# Altium PCB Audio_Research.PcbDoc (part 2 of 4) (continued)
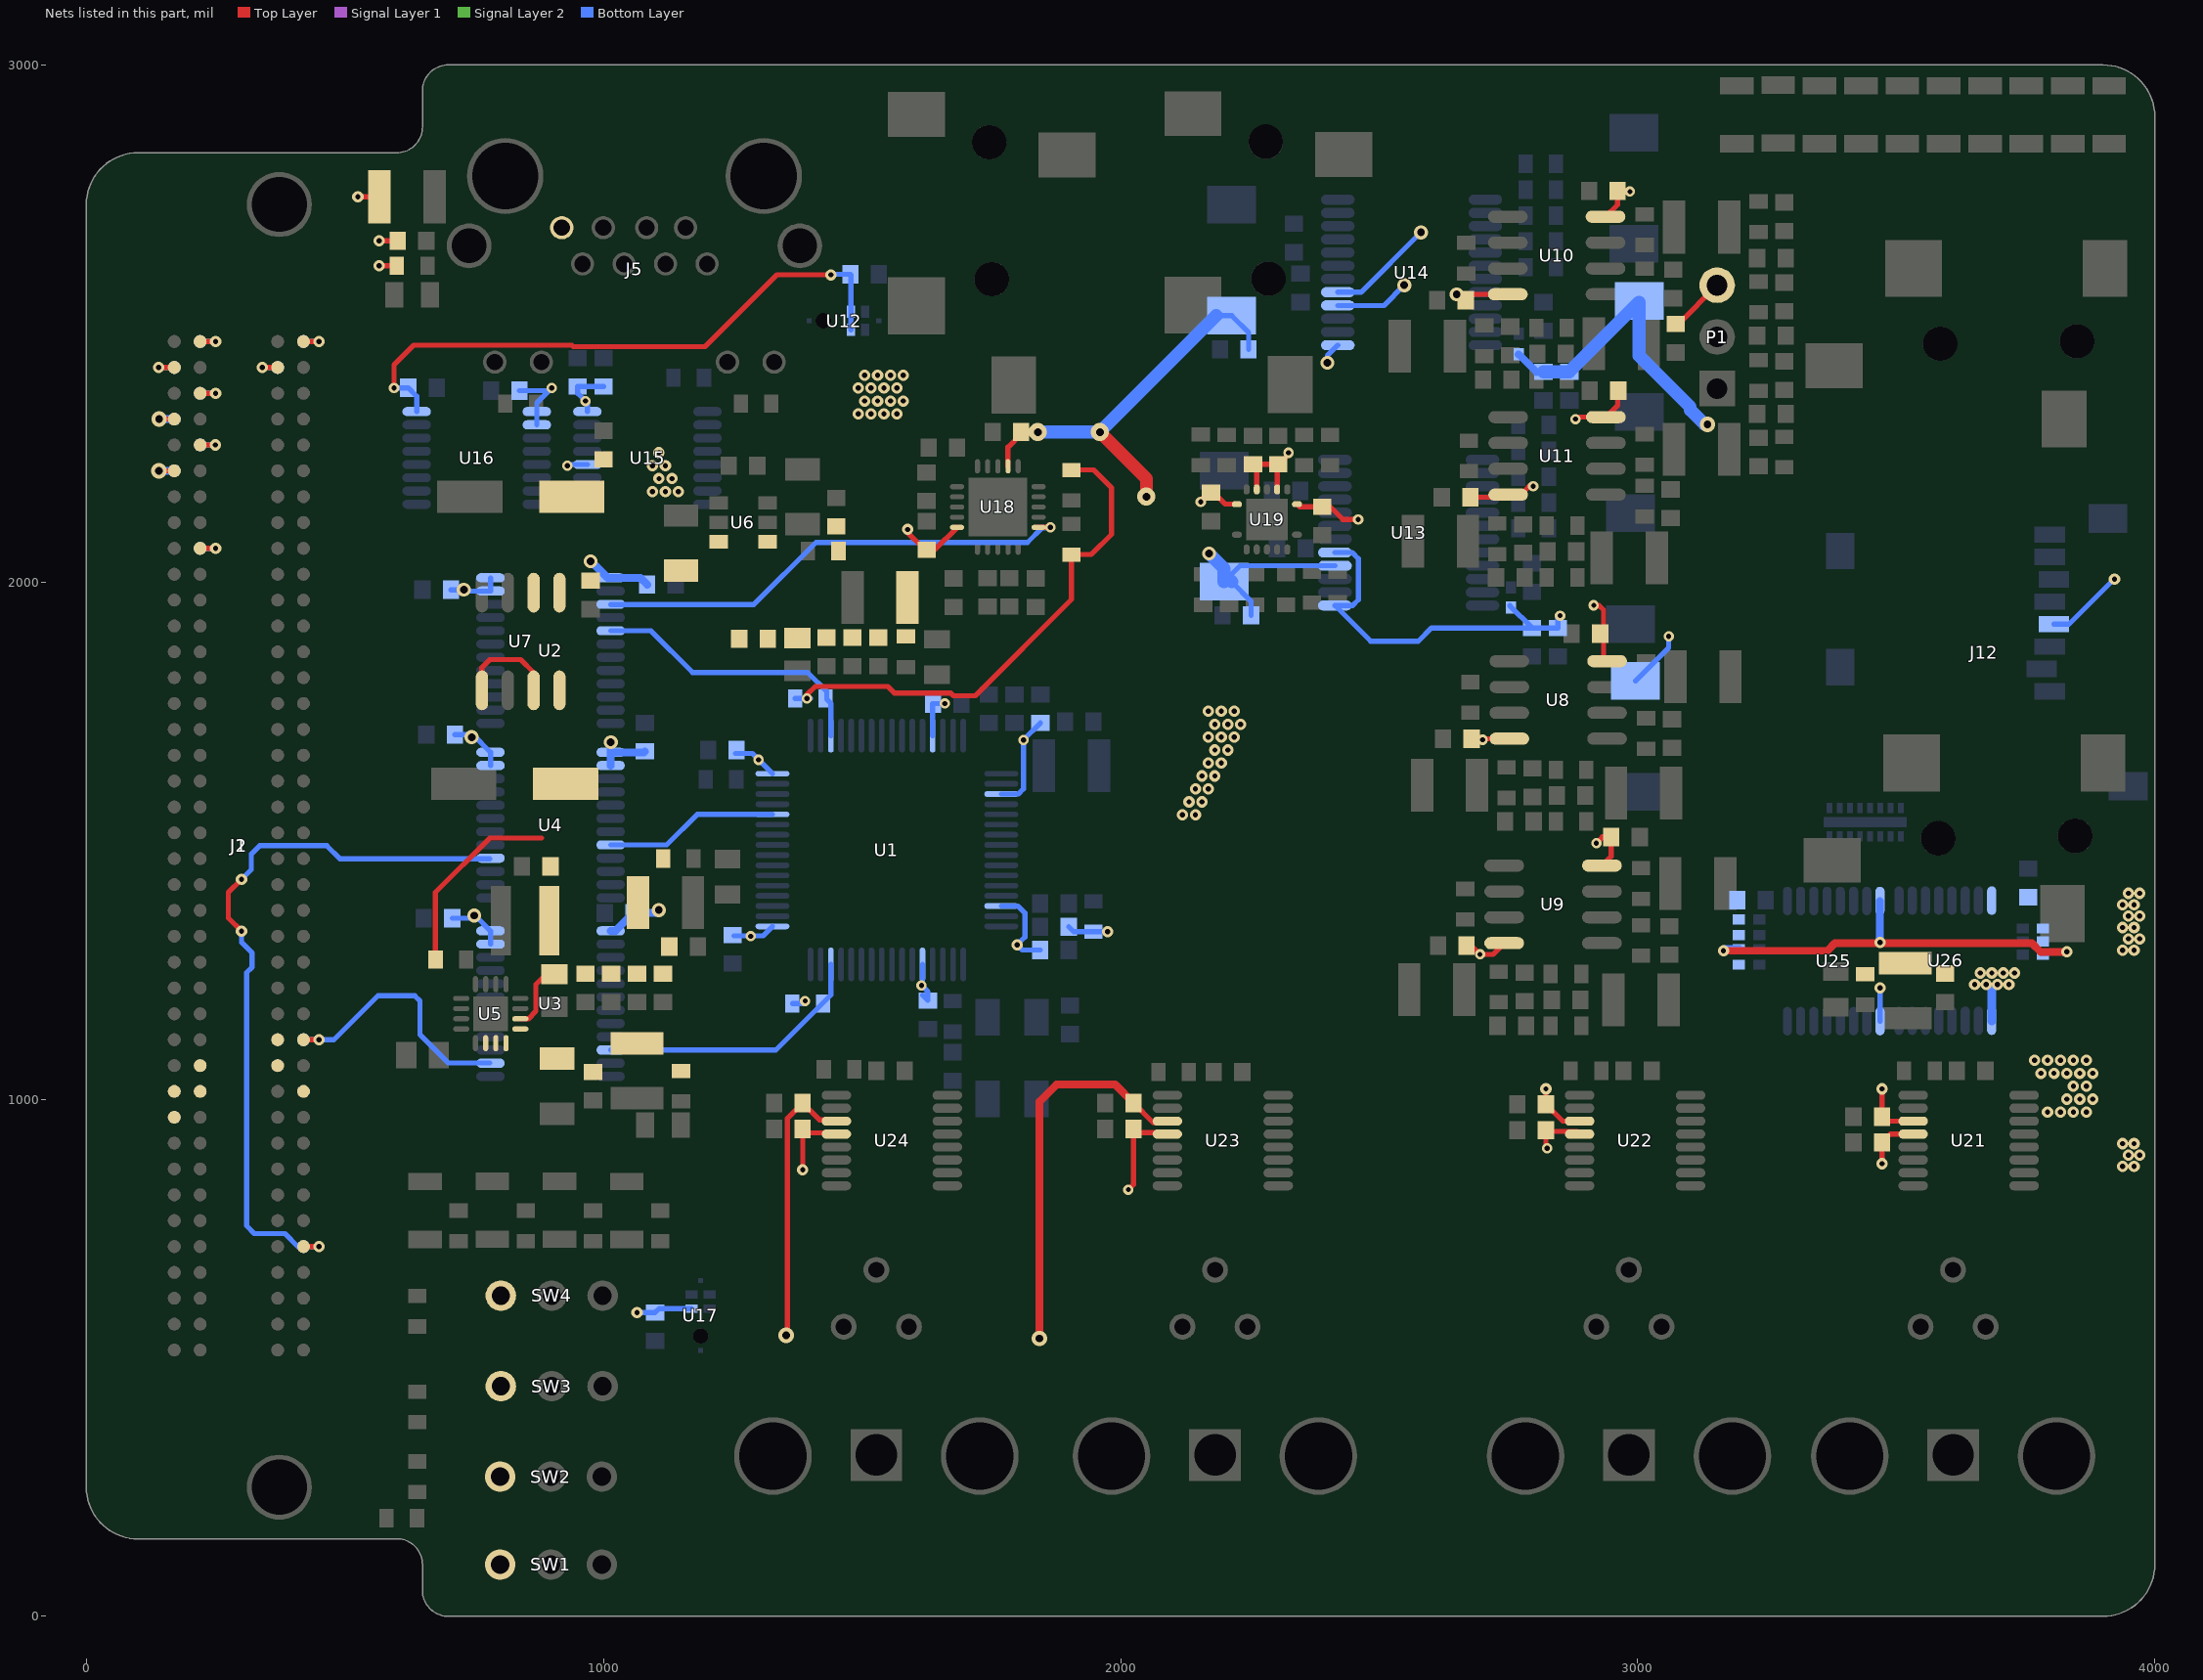
[diagram p4: the nets of this part, all layers, seen from the top]
## Part data (continued)
D4 D5: "LED 610NM SUPER ORANGE 0805 SMD", Color=Orange, Current - Test=20mA, Luminous Flux @ Current - Test=-, Manufacturer="Lumex Opto/Components Inc", Manufacturer Part Number=SML-LX0805SOC-TR, Millicandela Rating=60mcd, Package / Case="0805 (2012 Metric)", Supplier Part Number 1=67-1637-1-ND, Voltage - Forward (Vf) (Typ)=2V, Category=Optoelectronics, ComponentLink1Description=http://www.lumex.com/specs/SML-LX0805SOC-TR.pdf, ComponentLink1URL=http://www.lumex.com/specs/SML-LX0805SOC-TR.pdf, Height=1.10mm, Lens Style/Size="Rectangle with Flat Top, 1.4mm x 1.25mm", Lens Type=Clear, Mounting Type="Surface Mount", Notes="FE Provides", Packaging="Cut Tape (CT)", Pricing 1="1=0.65, 10=0.502, 100=0.3255, 250=0.279, 500=0.2418, 1000=0.186 (USD)", RoHS="RoHS Compliant", Size / Dimension="2.00mm L x 1.25mm W", Stock 1=13373, Supplier 1=Digi-Key, Viewing Angle=140°, Wavelength - Dominant=-, Wavelength - Peak=610nm
D6 D7 D8 D9 D10 D11 D12 D13 D14 D15 D16 D17 D18 D19: "LED ALINGAP ULT GRN CLR 1206 SMD", Color=Green, Current - Test=20mA, Luminous Flux @ Current - Test=-, Manufacturer="Lumex Opto/Components Inc", Manufacturer Part Number=SML-LX1206SUGC-TR, Millicandela Rating=45mcd, Package / Case="1206 (3216 Metric)", Supplier Part Number 1=67-1698-1-ND, Voltage - Forward (Vf) Typ=2.2V, Category=Optoelectronics, ComponentLink1Description=http://www.lumex.com/specs/SML-LX1206SUGC-TR.pdf, ComponentLink1URL=http://www.lumex.com/specs/SML-LX1206SUGC-TR.pdf, Height=1.10mm, Lens Style/Size="Rectangle with Flat Top, 2mm x 1.6mm", Lens Type=Clear, Mounting Type="Surface Mount", Packaging="Cut Tape (CT)", Pricing 1="1=0.64, 10=0.49, 100=0.3534, 250=0.31352, 500=0.2679, 1000=0.2109 (USD)", RoHS="RoHS Compliant", Size / Dimension="3.20mm L x 1.60mm W", Stock 1=11785, Supplier 1=Digi-Key, Viewing Angle=140°, Wavelength - Dominant=-, Wavelength - Peak=574nm
FB1: "FERRITE CHIP 22 OHM 500MA 0603", Current Rating=500mA, DC Resistance (DCR)="350 mOhm Max", Impedance @ Frequency="22 Ohm @ 100MHz", Manufacturer="Murata Electronics North America", Package / Case="0603 (1608 Metric)", Supplier Part Number 1=490-1016-1-ND, Category=Filters, ComponentLink1Description=http://search.murata.co.jp/Ceramy/image/img/PDF/ENG/L0110S0100BLM18B.pdf, ComponentLink1URL=http://search.murata.co.jp/Ceramy/image/img/PDF/ENG/L0110S0100BLM18B.pdf, Filter Type="Differential Mode - Single", Height (Max)="0.037\" (0.95mm)", Manufacturer Part Number=BLM18BA220SN1D, Mounting Type="Surface Mount", Packaging="Cut Tape (CT)", Pricing 1="1=0.24, 10=0.18, 50=0.105, 100=0.084, 250=0.06, 500=0.0408, 1000=0.033 (USD)", RoHS="RoHS Compliant", Size / Dimension="0.063\" L x 0.031\" W (1.60mm x 0.80mm)", Stock 1=10969, Supplier 1=Digi-Key
J1: library part ASP-134603-01, "Low Pin Count Female FPGA Mezzanine Card Connector", Housing Colour=Black, Manufacturer=Samtec, Supplier Part Number 1=SAM8729-ND, ComponentLink1Description=https://datasheet.ciiva.com/403/asp-134603-01-403748.pdf, ComponentLink1URL=https://datasheet.ciiva.com/403/asp-134603-01-403748.pdf, ComponentLink2Description=https://datasheet.ciiva.com/26877/getdatasheetpartid-748375-26877304.pdf, ComponentLink2URL=https://datasheet.ciiva.com/26877/getdatasheetpartid-748375-26877304.pdf, Contact Material="Copper Alloy", Contact Plating=Nickel,Gold, Depth=13.23mm, Gender=Receptacle, Load Status=DNI, Manufacturer Part Number=ASP-134603-01, Mount="Surface Mount", Number of Contacts=160, Number of Positions=160, Number of Rows=4, Orientation=Straight, Packaging="Tape and Reel", Pitch=1.27mm, Pricing 1="1=12.68, 10=12.253, 25=11.83, 50=11.4076, 100=10.985, 250=10.7738, 500=10.5625 (USD)", Radiation Hardening=No, REACH SVHC="No SVHC", Stock 1=418, Supplier 1=Digi-Key, Termination=Solder
J2: library part ASP-134604-01, "Low Pin Count 10mm Male FPGA Mezzanine Card Connector", Manufacturer=Samtec, Supplier Part Number 1=SAM8732-ND, ComponentLink1Description=https://datasheet.ciiva.com/403/asp-134604-01-403751.pdf, ComponentLink1URL=https://datasheet.ciiva.com/403/asp-134604-01-403751.pdf, ComponentLink2Description=https://datasheet.ciiva.com/9532/asp-134604-01-9532665.pdf, ComponentLink2URL=https://datasheet.ciiva.com/9532/asp-134604-01-9532665.pdf, Contact Material="Copper Alloy", Contact Plating=Nickel,Gold, Gender=Male, Manufacturer Part Number=ASP-134604-01, Mount="Surface Mount", Number of Contacts=400, Number of Positions=160, Number of Rows=4, Packaging="Tape and Reel", Pitch=0.05inch, Pricing 1="1=13.68, 10=13.224, 25=12.768, 50=12.312, 100=11.856, 250=11.628, 500=11.4 (USD)", Radiation Hardening=No, REACH SVHC="No SVHC", Stock 1=825, Supplier 1=Digi-Key, Termination=SMD/SMT
J3 J4 J6 J7: "3.50mm (0.141\", 1/8\", Mini Plug) - Headphone Phone Jack Stereo Connector Solder", Body Color=Black, Current Rating=1A, Insulation Color=-, Manufacturer="CUI Inc.", Supplier Part Number 1=CP-3523SJCT-ND, Voltage - Rated=12VDC, Actual Diameter="0.142\" (3.60mm)", Body Material=-, Category="Connectors, Interconnects", ComponentLink1Description=http://www.cui.com/product/resource/digikeypdf/sj-352x-smt_series.pdf, ComponentLink1URL=http://www.cui.com/product/resource/digikeypdf/sj-352x-smt_series.pdf, Connector Type="Phone Jack", Contact Material - Plating=Silver, Features="Board Guide", Gender=Female, Includes="1 pc - 1 Connector", Industry Recognized Mating Diameter="3.50mm (0.141\", 1/8\", Mini Plug) - Headphone", Internal Switch(s)="Does Not Contain Switch", LatestRevisionDate=17-Jul-2002, LatestRevisionNote="Re-released for DXP Platform.", Manufacturer Part Number=SJ-3523-SMT-TR, Mating Length/Depth="0.551\" (14.00mm)", Mounting Type="Surface Mount, Right Angle", Notes="FE Provides: 23", Number of Positions/Contacts="3 Conductors, 3 Contacts", Packaging="Cut Tape (CT)", Part Status=Active, Pricing 1="1=1.34, 10=1.043, 100=0.7961, 500=0.63558 (USD)", Publisher="Altium Limited", RoHS="RoHS Compliant", Shielding=Unshielded, Signal Lines=Stereo, Stock 1=104981, Supplier 1=Digi-Key, Termination=Solder
J5: library part 615008137421, "Jack Modular Connector 8p8c (RJ45, Ethernet) 90° Angle (Right) Shielded, EMI Finger Cat5", Colour=Black,Green,Yellow, Current Rating=1.5A, Flammability Rating="UL94 V-0", Insulation Resistance=500MR, Manufacturer="Wurth Electronics", Max Operating Temperature=85°C, Min Operating Temperature=-40°C, Package Quantity=60, Supplier Part Number 1=732-2112-ND, Voltage Rating (AC)=120V, ComponentLink1Description=https://datasheet.ciiva.com/11726/0900766b80f88673-11726176.pdf, ComponentLink1URL=https://datasheet.ciiva.com/11726/0900766b80f88673-11726176.pdf, ComponentLink2Description=https://datasheet.ciiva.com/4561/615008137421-71402-4561624.pdf, ComponentLink2URL=https://datasheet.ciiva.com/4561/615008137421-71402-4561624.pdf, ComponentLink3Description=https://datasheet.ciiva.com/686/615008137421-686729.pdf, ComponentLink3URL=https://datasheet.ciiva.com/686/615008137421-686729.pdf, ComponentLink4Description=https://datasheet.ciiva.com/6913/76606-6913951.pdf, ComponentLink4URL=https://datasheet.ciiva.com/6913/76606-6913951.pdf, ComponentLink5Description=https://datasheet.ciiva.com/48689/001088215-da-01-en-wr-com-modular-jack-615008137421-48689541.pdf, ComponentLink5URL=https://datasheet.ciiva.com/48689/001088215-da-01-en-wr-com-modular-jack-615008137421-48689541.pdf, Connector Type=RJ45,Socket,Jack, Contact Material="Copper Alloy", Contact Plating=Tin,Gold, Depth=15.75mm, Direction=Up, Gender=Female, Height=16.93mm, Housing Material=PBT, Length=13.46mm, Manufacturer Part Number=615008137421, Mating Cycles=500, Mount="Through Hole,PCB", Number of Contacts=8, Number of Ports=1, Number of Positions=8, Number of Rows=1, Orientation="Right Angle", Packaging=Tray, Pricing 1="1=2.67, 10=2.621, 50=2.52, 100=2.419, 250=2.318 (USD)", REACH SVHC=Unknown, Shielding=Shielded, Stock 1=1494, Supplier 1=Digi-Key, Termination="Through Hole", Width=16.25mm
J8 J9 J10 J11: library part TRA3M, "3 Position Circular Connector Receptacle, Male Pins Solder Silver", Case/Package=Metal, Colour=Black, Current Rating=5A, Manufacturer=Switchcraft, Max Operating Temperature=85°C, Max Voltage Rating (AC)=125V, Min Operating Temperature=-55°C, Package Quantity=1, Supplier Part Number 1=SC1550-ND, Voltage Rating=250V, Body Material="Metal,Copper Alloy", ComponentLink1Description=https://datasheet.ciiva.com/7327/tra3m-series-cd-7327368.pdf, ComponentLink1URL=https://datasheet.ciiva.com/7327/tra3m-series-cd-7327368.pdf, ComponentLink2Description=https://datasheet.ciiva.com/16879/70214235-16879259.pdf, ComponentLink2URL=https://datasheet.ciiva.com/16879/70214235-16879259.pdf, ComponentLink3Description=https://datasheet.ciiva.com/8053/28686-8053836.pdf, ComponentLink3URL=https://datasheet.ciiva.com/8053/28686-8053836.pdf, Connector Type=Receptacle,Pin, Contact Material="Brass,Copper Alloy", Contact Plating=Nickel,Tin,Silver, Depth=26.92mm, Fastening Type=Threaded, Gender=Male, Height=15.24mm, Housing Material="Copper Alloy", Insulation Material=Thermoplastic, Lead Free="Lead Free", Length=15.49mm, Manufacturer Part Number=TRA3M, Max Current Rating=5A, Mount="Through Hole,Panel,Bulkhead,PCB", Number of Contacts=3, Number of Ports=1, Number of Positions=3, Number of Terminals=3, Orientation="Right Angle", Packaging=Bulk, Pricing 1="1=12.74, 10=9.754, 25=9.5096, 50=8.7782, 100=8.2906, 250=7.9248 (USD)", REACH SVHC="No SVHC", Stock 1=295, Supplier 1=Digi-Key, Termination=Solder, Wire/Cable Gauge=28AWG
J12: library part 693071010811_mmc, "CONN MICRO SD 8 POS SMD", Manufacturer="Wurth Electronics Inc", Manufacturer Part Number=693071010811, Supplier Part Number 1=732-3819-1-ND, Card Type="Secure Digital - microSD", Category="Connectors, Interconnects", ComponentLink1Description=http://katalog.we-online.de/em/datasheet/693071010811.pdf, ComponentLink1URL=http://katalog.we-online.de/em/datasheet/693071010811.pdf, Connector Type="Connector and Ejector", Contact Finish=Gold, Contact Finish Thickness=-, Ejector Side=-, Features=Switch, Height Above Board="0.072\" (1.83mm)", Insertion, Removal Method="Push In, Push Out", Mounting Feature="Normal, Standard - Top", Mounting Type="Surface Mount, Right Angle", Number of Positions="9 (8 + 1)", Packaging="Cut Tape (CT)", Pricing 1="1=3.32, 10=3.188, 50=2.805, 100=2.6775, 500=2.295, 1400=2.10375 (USD)", RoHS="RoHS Compliant", Stock 1=6758, Supplier 1=Digi-Key
L1: library part XFL4020-222MEB, "Fixed Inductors XFL4020 AEC-Q200 2.2 uH 20 % 8 A", DC Resistance (DCR)=23.5mR, Inductance=2.2uH, Manufacturer=Coilcraft, Max DC Current=8A, Max Operating Temperature=125°C, Min Operating Temperature=-40°C, Package Quantity=25, Self Resonant Frequency=38MHz, Supplier Part Number 1=994-XFL4020-222MEB, Test Frequency=100kHz, Tolerance=20%, ComponentLink1Description=http://www.mouser.com/ds/2/597/xfl4020-270756.pdf, ComponentLink1URL=http://www.mouser.com/ds/2/597/xfl4020-270756.pdf, Core Material=Composite, Height=2.1mm, Lead Free="Contains Lead", Length=4.3mm, Manufacturer Part Number=XFL4020-222MEB, Packaging="Tape and Reel", Pricing 1="1=1.99, 10=1.99, 50=1.99, 100=1.59, 1000=0.885, 10000=0.824 (USD)", Shielding=Shielded, Stock 1=13478, Supplier 1=Mouser, Termination=SMD/SMT, Width=4.3mm
Logo1: library part Audio_Logic_Logo
P1: library part CONN_TH_3PIN_0D1, "3 Pin Through Hole Connector with 0.1\" Spacing", Manufacturer=Samtec, Manufacturer Part Number=TSW-103-07-G-S, LatestRevisionDate=17-Jul-2002, LatestRevisionNote="Re-released for DXP Platform.", Publisher="Altium Limited", Supplier 1=Samtec, Supplier Part Number 1=TSW-103-07-G-S
R1: "RES SMD 49.9 OHM 1% 1/10W 0603", Manufacturer="Panasonic Electronic Components", Operating Temperature="-55°C ~ 155°C", Package / Case="0603 (1608 Metric)", Power (Watts)=100mW, Resistance (Ohms)=49.9, Supplier Device Package=0603, Supplier Part Number 1=P49.9HCT-ND, Temperature Coefficient=±100ppm/°C, Tolerance=±1%, Category=Resistors, ComponentLink1Description=http://industrial.panasonic.com/www-cgi/jvcr13pz.cgi?E+PZ+3+AOA0002+ERJ3EKF49R9V+7+WW, ComponentLink1URL=http://industrial.panasonic.com/www-cgi/jvcr13pz.cgi?E+PZ+3+AOA0002+ERJ3EKF49R9V+7+WW, Composition="Thick Film", Failure Rate=-, Features="Automotive AEC-Q200", Height - Seated (Max)="0.022\" (0.55mm)", Notes="FE Provides", Number of Terminations=2, Packaging="Cut Tape (CT)", Part Status=Active, Pricing 1="1=0.1, 10=0.019, 25=0.0136, 50=0.0104, 100=0.0077, 250=0.00584, 500=0.00468, 1000=0.00345 (USD)", RoHS="RoHS Compliant", Size / Dimension="0.063\" L x 0.031\" W (1.60mm x 0.80mm)", Stock 1=1715606, Supplier 1=Digi-Key
R2: "RES SMD 562 OHM 1% 1/10W 0603", Manufacturer="Panasonic Electronic Components", Operating Temperature="-55°C ~ 155°C", Package / Case="0603 (1608 Metric)", Power (Watts)=100mW, Resistance (Ohms)=562, Supplier Device Package=0603, Supplier Part Number 1=P562HCT-ND, Temperature Coefficient=±100ppm/°C, Tolerance=±1%, Category=Resistors, ComponentLink1Description=http://industrial.panasonic.com/www-cgi/jvcr13pz.cgi?E+PZ+3+AOA0002+ERJ3EKF5620V+7+WW, ComponentLink1URL=http://industrial.panasonic.com/www-cgi/jvcr13pz.cgi?E+PZ+3+AOA0002+ERJ3EKF5620V+7+WW, Composition="Thick Film", Failure Rate=-, Features="Automotive AEC-Q200", Height="0.022\" (0.55mm)", Manufacturer Part Number=ERJ-3EKF5620V, Number of Terminations=2, Packaging="Cut Tape (CT)", Part Status=Active, Pricing 1="1=0.1, 50=0.0114, 100=0.0084, 250=0.00644, 500=0.00514, 1000=0.00379 (USD)", RoHS="RoHS Compliant", Size / Dimension="0.063\" L x 0.031\" W (1.60mm x 0.80mm)", Stock 1=336376, Supplier 1=Digi-Key
R3 R4 R5 R15 R16 R19 R20 R64 R65: "RES 10K OHM 1/10W 5% 0603 SMD", Manufacturer="Panasonic - ECG", Package / Case="0603 (1608 Metric)", Power (Watts)=100mW, Resistance (Ohms)=10K, Supplier Part Number 1=P10KGCT-ND, Temperature Coefficient=±200ppm/°C, Tolerance=±5%, Category=Resistors, ComponentLink1Description=http://industrial.panasonic.com/www-cgi/jvcr13pz.cgi?E+PZ+3+AOA0001+ERJ3GEYJ103V+7+WW, ComponentLink1URL=http://industrial.panasonic.com/www-cgi/jvcr13pz.cgi?E+PZ+3+AOA0001+ERJ3GEYJ103V+7+WW, Composition="Thick Film", Features=-, Height="0.022\" (0.55mm)", Manufacturer Part Number=ERJ-3GEYJ103V, Number of Terminations=2, Packaging="Cut Tape (CT)", Pricing 1="1=0.02, 50=0.0092, 100=0.007, 250=0.0052, 500=0.00384, 1000=0.00256 (USD)", RoHS="RoHS Compliant", Size / Dimension="0.063\" L x 0.031\" W (1.60mm x 0.80mm)", Stock 1=16219504, Supplier 1=Digi-Key
R6: "RES 3.9 OHM 1/10W 1% 0603 SMD", Manufacturer="Panasonic Electronic Components", Package / Case="0603 (1608 Metric)", Power (Watts)=100mW, Resistance (Ohms)=3.9, Supplier Device Package=0603, Supplier Part Number 1=P3.9AJCT-ND, Temperature Coefficient=±200ppm/°C, Tolerance=±1%, Category=Resistors, ComponentLink1Description=http://industrial.panasonic.com/www-cgi/jvcr13pz.cgi?E+PZ+3+AOA0003+ERJ3RQF3R9V+7+WW, ComponentLink1URL=http://industrial.panasonic.com/www-cgi/jvcr13pz.cgi?E+PZ+3+AOA0003+ERJ3RQF3R9V+7+WW, Composition="Thick Film", Features=-, Height="0.022\" (0.55mm)", Manufacturer Part Number=ERJ-3RQF3R9V, Notes="FE Provides", Number of Terminations=2, Packaging="Cut Tape (CT)", Pricing 1="1=0.29, 50=0.1138, 100=0.0878, 250=0.06824, 500=0.0481, 1000=0.0351 (USD)", RoHS="RoHS Compliant", Size / Dimension="0.063\" L x 0.031\" W (1.60mm x 0.80mm)", Stock 1=44573, Supplier 1=Digi-Key
R7: "RES 100K OHM 1/10W 1% 0603 SMD", Manufacturer="Panasonic - ECG", Package / Case="0603 (1608 Metric)", Power (Watts)=100mW, Resistance (Ohms)=100K, Supplier Part Number 1=P100KHCT-ND, Temperature Coefficient=±100ppm/°C, Tolerance=±1%, Category=Resistors, ComponentLink1Description=http://industrial.panasonic.com/www-cgi/jvcr13pz.cgi?E+PZ+3+AOA0002+ERJ3EKF1003V+7+WW, ComponentLink1URL=http://industrial.panasonic.com/www-cgi/jvcr13pz.cgi?E+PZ+3+AOA0002+ERJ3EKF1003V+7+WW, Composition="Thick Film", Features=-, Height="0.022\" (0.55mm)", Manufacturer Part Number=ERJ-3EKF1003V, Number of Terminations=2, Packaging="Cut Tape (CT)", Pricing 1="1=0.1, 50=0.0138, 100=0.0105, 250=0.0078, 500=0.00576, 1000=0.00384 (USD)", RoHS="RoHS Compliant", Size / Dimension="0.063\" L x 0.031\" W (1.60mm x 0.80mm)", Stock 1=7213152, Supplier 1=Digi-Key
R8 R12: "RES 1.1K OHM 1% 1/10W 0603", Case/Package=0603, Case Code (Metric)=1608, Manufacturer="Stackpole Electronics", Max Operating Temperature=155°C, Max Power Dissipation=100mW, Min Operating Temperature=-55°C, Resistance=1.1k, Supplier Part Number 1=RMCF0603FT1K10DKR-ND, Temperature Coefficient=100ppm/°C, Tolerance=1%, Case Code (Imperial)=0603, ComponentLink1Description=https://www.seielect.com/catalog/SEI-RMCF_RMCP.pdf, ComponentLink1URL=https://www.seielect.com/catalog/SEI-RMCF_RMCP.pdf, ComponentLink2Description=http://components.arrow.com/part/dataview/44988020S6797459N1174, ComponentLink2URL=http://components.arrow.com/part/dataview/44988020S6797459N1174, ComponentLink3Description=https://www.seielect.com/catalog/SEI-Packaging.pdf, ComponentLink3URL=https://www.seielect.com/catalog/SEI-Packaging.pdf, ComponentLink4Description=http://www.seielect.com/Catalog/SEI-RMC.pdf, ComponentLink4URL=http://www.seielect.com/Catalog/SEI-RMC.pdf, Composition="Thick Film", Contact Plating=Tin,Matte, Height=0.022inch, Lead Free="Lead Free", Length=0.061inch, Manufacturer Part Number=RMCF0603FT1K10, Mount="Surface Mount", Number of Terminations=2, Packaging="Tape and Reel", Power Rating=100mW, Pricing 1="1=0.1, 10=0.017, 100=0.0069, 1000=0.00309, 2500=0.00268 (USD)", Radiation Hardening=No, Stock 1=3279, Supplier 1=Digi-Key, Width=0.031inch
R9: "RES SMD 374 OHM 1% 1/10W 0603", Manufacturer="Panasonic Electronic Components", Operating Temperature="-55°C ~ 155°C", Package / Case="0603 (1608 Metric)", Power (Watts)=100mW, Resistance (Ohms)=374, Supplier Device Package=0603, Supplier Part Number 1=P374HCT-ND, Temperature Coefficient=±100ppm/°C, Tolerance=±1%, Category=Resistors, ComponentLink1Description=http://industrial.panasonic.com/www-cgi/jvcr13pz.cgi?E+PZ+3+AOA0002+ERJ3EKF3740V+7+WW, ComponentLink1URL=http://industrial.panasonic.com/www-cgi/jvcr13pz.cgi?E+PZ+3+AOA0002+ERJ3EKF3740V+7+WW, Composition="Thick Film", Features="Automotive AEC-Q200", Height="0.022\" (0.55mm)", Manufacturer Part Number=ERJ-3EKF3740V, Number of Terminations=2, Packaging="Cut Tape (CT)", Part Status=Active, Pricing 1="1=0.1, 50=0.0114, 100=0.0084, 250=0.00644, 500=0.00514, 1000=0.00379 (USD)", RoHS="RoHS Compliant", Size / Dimension="0.063\" L x 0.031\" W (1.60mm x 0.80mm)", Stock 1=48031, Supplier 1=Digi-Key
R10 R13 R14 R17 R18 R62 R63: "RES SMD 180 OHM 0.1% 1/10W 0603", Case/Package=0603, Case Code (Metric)=1608, Manufacturer=Panasonic, Manufacturer Part Number=ERA3AEB181V, Max Operating Temperature=155°C, Max Power Dissipation=100mW, Min Operating Temperature=-55°C, Package Quantity=1, Resistance=180, Supplier Part Number 1=P180DBDKR-ND, Temperature Coefficient=25ppm/°C, Tolerance=0.1%, Voltage Rating=75V, Case Code (Imperial)=0603, ComponentLink1Description=https://datasheet.ciiva.com/11808/0900766b80fe20f7-11808021.pdf, ComponentLink1URL=https://datasheet.ciiva.com/11808/0900766b80fe20f7-11808021.pdf, ComponentLink2Description=https://datasheet.ciiva.com/9184/aoa0000ce26-9184902.pdf, ComponentLink2URL=https://datasheet.ciiva.com/9184/aoa0000ce26-9184902.pdf, ComponentLink3Description=https://datasheet.ciiva.com/30263/54aoa0000ce26-30263318.pdf, ComponentLink3URL=https://datasheet.ciiva.com/30263/54aoa0000ce26-30263318.pdf, ComponentLink4Description=https://datasheet.ciiva.com/5860/485442-5860503.pdf, ComponentLink4URL=https://datasheet.ciiva.com/5860/485442-5860503.pdf, ComponentLink5Description=https://datasheet.ciiva.com/48425/era-eng-tds-48425431.pdf, ComponentLink5URL=https://datasheet.ciiva.com/48425/era-eng-tds-48425431.pdf, ComponentLink6Description=https://datasheet.ciiva.com/5860/485442-5860505.pdf, ComponentLink6URL=https://datasheet.ciiva.com/5860/485442-5860505.pdf, ComponentLink7Description=https://datasheet.ciiva.com/9117/aoa0000ce26-9117390.pdf, ComponentLink7URL=https://datasheet.ciiva.com/9117/aoa0000ce26-9117390.pdf, ComponentLink8Description=https://datasheet.ciiva.com/7909/485442-7909087.pdf, ComponentLink8URL=https://datasheet.ciiva.com/7909/485442-7909087.pdf, ComponentLink9Description=https://datasheet.ciiva.com/48530/era-eng-tds-48530575.pdf, ComponentLink9URL=https://datasheet.ciiva.com/48530/era-eng-tds-48530575.pdf, ComponentLink10Description=https://datasheet.ciiva.com/29183/450425-da-01-en-widerstand-0603-era-29183672.pdf, ComponentLink10URL=https://datasheet.ciiva.com/29183/450425-da-01-en-widerstand-0603-era-29183672.pdf, Composition="Thin Film", Contact Plating=Tin, Depth=0.8mm, Height=0.45mm, Lead Free="Lead Free", Length=1.6mm, Military Standard=Not, Mount="Surface Mount", Number of Pins=2, Number of Terminations=2, Packaging="Tape and Reel", Power Rating=100mW, Pricing 1="1=0.35, 10=0.3, 100=0.1172, 1000=0.0491, 2500=0.045 (USD)", Radiation Hardening=No, REACH SVHC="No SVHC", Stock 1=9289, Supplier 1=Digi-Key, Termination=SMD/SMT, Voltage Rating (DC)=75V, Width=0.8mm
R11 R50 R51 R52 R53 R54 R56 R57 R58 R59 R60: "RES 499 OHM 1/10W 1% 0603 SMD", Manufacturer="Panasonic - ECG", Package / Case="0603 (1608 Metric)", Power (Watts)=100mW, Resistance (Ohms)=499, Supplier Part Number 1=P499HCT-ND, Temperature Coefficient=±100ppm/°C, Tolerance=±1%, Category=Resistors, ComponentLink1Description=http://industrial.panasonic.com/www-cgi/jvcr13pz.cgi?E+PZ+3+AOA0002+ERJ3EKF4990V+7+WW, ComponentLink1URL=http://industrial.panasonic.com/www-cgi/jvcr13pz.cgi?E+PZ+3+AOA0002+ERJ3EKF4990V+7+WW, Composition="Thick Film", Features=-, Height="0.022\" (0.55mm)", Manufacturer Part Number=ERJ-3EKF4990V, Number of Terminations=2, Packaging="Cut Tape (CT)", Pricing 1="1=0.1, 50=0.0138, 100=0.0105, 250=0.0078, 500=0.00576, 1000=0.00384 (USD)", RoHS="RoHS Compliant", Size / Dimension="0.063\" L x 0.031\" W (1.60mm x 0.80mm)", Stock 1=748630, Supplier 1=Digi-Key
R21 R22 R24 R25 R27 R28 R30 R31 R33 R34 R36 R38 R42 R43 R45 R47: "RES SMD 5.76K OHM 1% 1/10W 0603", Manufacturer="Panasonic Electronic Components", Operating Temperature="-55°C ~ 155°C", Package / Case="0603 (1608 Metric)", Power (Watts)=100mW, Resistance (Ohms)=5.76k, Supplier Device Package=0603, Supplier Part Number 1=P5.76KHCT-ND, Temperature Coefficient=±100ppm/°C, Tolerance=±1%, Category=Resistors, ComponentLink1Description=http://industrial.panasonic.com/www-cgi/jvcr13pz.cgi?E+PZ+3+AOA0002+ERJ3EKF5761V+7+WW, ComponentLink1URL=http://industrial.panasonic.com/www-cgi/jvcr13pz.cgi?E+PZ+3+AOA0002+ERJ3EKF5761V+7+WW, Composition="Thick Film", Features="Automotive AEC-Q200", Height="0.022\" (0.55mm)", Manufacturer Part Number=ERJ-3EKF5761V, Number of Terminations=2, Packaging="Cut Tape (CT)", Part Status=Active, Pricing 1="1=0.1, 50=0.0114, 100=0.0084, 250=0.00644, 500=0.00514, 1000=0.00379 (USD)", RoHS="RoHS Compliant", Size / Dimension="0.063\" L x 0.031\" W (1.60mm x 0.80mm)", Stock 1=90842, Supplier 1=Digi-Key
R23 R26 R29 R32 R35 R39 R44 R48: "RES SMD 237 OHM 1% 1/10W 0603", Manufacturer="Panasonic Electronic Components", Operating Temperature="-55°C ~ 155°C", Package / Case="0603 (1608 Metric)", Power (Watts)=100mW, Resistance (Ohms)=237, Supplier Device Package=0603, Supplier Part Number 1=P237HCT-ND, Temperature Coefficient=±100ppm/°C, Tolerance=±1%, Category=Resistors, ComponentLink1Description=http://industrial.panasonic.com/www-cgi/jvcr13pz.cgi?E+PZ+3+AOA0002+ERJ3EKF2370V+7+WW, ComponentLink1URL=http://industrial.panasonic.com/www-cgi/jvcr13pz.cgi?E+PZ+3+AOA0002+ERJ3EKF2370V+7+WW, Composition="Thick Film", Features="Automotive AEC-Q200", Height="0.022\" (0.55mm)", Manufacturer Part Number=ERJ-3EKF2370V, Number of Terminations=2, Packaging="Cut Tape (CT)", Part Status=Active, Pricing 1="1=0.1, 50=0.0114, 100=0.0084, 250=0.00644, 500=0.00514, 1000=0.00379 (USD)", RoHS="RoHS Compliant", Size / Dimension="0.063\" L x 0.031\" W (1.60mm x 0.80mm)", Stock 1=74413, Supplier 1=Digi-Key
R37 R46: "RES SMD 4.99K OHM 1% 1/10W 0603", Manufacturer="Panasonic Electronic Components", Operating Temperature="-55°C ~ 155°C", Package / Case="0603 (1608 Metric)", Power (Watts)=100mW, Resistance (Ohms)=4.99k, Supplier Device Package=0603, Supplier Part Number 1=P4.99KHCT-ND, Temperature Coefficient=±100ppm/°C, Tolerance=±1%, Category=Resistors, ComponentLink1Description=http://industrial.panasonic.com/www-cgi/jvcr13pz.cgi?E+PZ+3+AOA0002+ERJ3EKF4991V+7+WW, ComponentLink1URL=http://industrial.panasonic.com/www-cgi/jvcr13pz.cgi?E+PZ+3+AOA0002+ERJ3EKF4991V+7+WW, Composition="Thick Film", Features="Automotive AEC-Q200", Height="0.022\" (0.55mm)", Manufacturer Part Number=ERJ-3EKF4991V, Number of Terminations=2, Packaging="Cut Tape (CT)", Part Status=Active, Pricing 1="1=0.1, 50=0.0114, 100=0.0084, 250=0.00644, 500=0.00514, 1000=0.00379 (USD)", RoHS="RoHS Compliant", Size / Dimension="0.063\" L x 0.031\" W (1.60mm x 0.80mm)", Stock 1=870970, Supplier 1=Digi-Key
R40 R41: "RES SMD 6.81K OHM 1% 1/10W 0603", Case/Package=0603, Case Code (Metric)=1608, Manufacturer="Panasonic ECG", Max Operating Temperature=155°C, Max Power Dissipation=100mW, Min Operating Temperature=-55°C, Package Quantity=1, Resistance=6.81k, Supplier Part Number 1=P6.81KHDKR-ND, Temperature Coefficient=100ppm/°C, Tolerance=1%, Voltage Rating=75V, Voltage Rating (DC)=50V, Case Code (Imperial)=0603, ComponentLink1Description=https://datasheet.ciiva.com/9117/aoa0000ce2-9117125.pdf, ComponentLink1URL=https://datasheet.ciiva.com/9117/aoa0000ce2-9117125.pdf, ComponentLink2Description=https://datasheet.ciiva.com/46389/426256-46389990.pdf, ComponentLink2URL=https://datasheet.ciiva.com/46389/426256-46389990.pdf, ComponentLink3Description=https://datasheet.ciiva.com/24027/aoa0000ce2-24027336.pdf, ComponentLink3URL=https://datasheet.ciiva.com/24027/aoa0000ce2-24027336.pdf, ComponentLink4Description=https://datasheet.ciiva.com/28693/1678782-28693560.pdf, ComponentLink4URL=https://datasheet.ciiva.com/28693/1678782-28693560.pdf, ComponentLink5Description=https://datasheet.ciiva.com/5969/426256-5969386.pdf, ComponentLink5URL=https://datasheet.ciiva.com/5969/426256-5969386.pdf, ComponentLink6Description=https://datasheet.ciiva.com/16440/aoa0000ce2-16440170.pdf, ComponentLink6URL=https://datasheet.ciiva.com/16440/aoa0000ce2-16440170.pdf, ComponentLink7Description=https://datasheet.ciiva.com/48531/aoa0000ce2-48531934.pdf, ComponentLink7URL=https://datasheet.ciiva.com/48531/aoa0000ce2-48531934.pdf, ComponentLink8Description=https://datasheet.ciiva.com/16759/70260748-16759487.pdf, ComponentLink8URL=https://datasheet.ciiva.com/16759/70260748-16759487.pdf, ComponentLink9Description=https://datasheet.ciiva.com/43460/426256-43460527.pdf, ComponentLink9URL=https://datasheet.ciiva.com/43460/426256-43460527.pdf, Composition="Thick Film", Contact Plating=Tin, Depth=0.8mm, Height=0.45mm, Lead Free="Lead Free", Length=1.6mm, Manufacturer Part Number=ERJ-3EKF6811V, Military Standard=Not, Mount="Surface Mount", Number of Terminations=2, Packaging="Tape and Reel", Power Rating=100mW, Pricing 1="1=0.1, 10=0.063, 100=0.0257, 1000=0.0115, 2500=0.01 (USD)", Radiation Hardening=No, REACH SVHC=Unknown, Stock 1=326226, Supplier 1=Digi-Key, Termination=SMD/SMT, Width=0.8mm
R49 R55: "RES 10 OHM 1/10W 1% 0402 SMD", Manufacturer="Panasonic Electronic Components", Package / Case="0402 (1005 Metric)", Power (Watts)=100mW, Resistance (Ohms)=10, Supplier Device Package=0402, Supplier Part Number 1=P10.0LCT-ND, Temperature Coefficient=±100ppm/°C, Tolerance=±1%, Category=Resistors, ComponentLink1Description=http://industrial.panasonic.com/www-cgi/jvcr13pz.cgi?E+PZ+3+AOA0002+ERJ2RKF10R0X+7+WW, ComponentLink1URL=http://industrial.panasonic.com/www-cgi/jvcr13pz.cgi?E+PZ+3+AOA0002+ERJ2RKF10R0X+7+WW, Composition="Thick Film", Features=-, Height="0.016\" (0.40mm)", Manufacturer Part Number=ERJ-2RKF10R0X, Number of Terminations=2, Packaging="Cut Tape (CT)", Pricing 1="1=0.1, 50=0.0196, 100=0.0149, 250=0.01104, 500=0.00816, 1000=0.00544, 5000=0.00383 (USD)", RoHS="RoHS Compliant", Size / Dimension="0.039\" L x 0.020\" W (1.00mm x 0.50mm)", Stock 1=1086258, Supplier 1=Digi-Key
R61: "RES SMD 100 OHM 0.1% 1/10W 0603", Case/Package=0603, Case Code (Metric)=1608, Manufacturer="Panasonic ECG", Max Operating Temperature=155°C, Max Power Dissipation=100mW, Min Operating Temperature=-55°C, Package Quantity=5000, Resistance=100, Supplier Part Number 1=P100DBDKR-ND, Temperature Coefficient=25ppm/°C, Tolerance=0.1%, Voltage Rating=75V, Case Code (Imperial)=0603, ComponentLink1Description=https://datasheet.ciiva.com/46422/485442-46422517.pdf, ComponentLink1URL=https://datasheet.ciiva.com/46422/485442-46422517.pdf, ComponentLink2Description=https://datasheet.ciiva.com/7830/485442-7830582.pdf, ComponentLink2URL=https://datasheet.ciiva.com/7830/485442-7830582.pdf, ComponentLink3Description=https://datasheet.ciiva.com/46422/485442-46422518.pdf, ComponentLink3URL=https://datasheet.ciiva.com/46422/485442-46422518.pdf, ComponentLink4Description=https://datasheet.ciiva.com/17207/aoa0000ce26-17207959.pdf, ComponentLink4URL=https://datasheet.ciiva.com/17207/aoa0000ce26-17207959.pdf, ComponentLink5Description=https://datasheet.ciiva.com/5734/485442-5734520.pdf, ComponentLink5URL=https://datasheet.ciiva.com/5734/485442-5734520.pdf, ComponentLink6Description=https://datasheet.ciiva.com/5734/485442-5734521.pdf, ComponentLink6URL=https://datasheet.ciiva.com/5734/485442-5734521.pdf, ComponentLink7Description=https://datasheet.ciiva.com/28513/39837-28513817.pdf, ComponentLink7URL=https://datasheet.ciiva.com/28513/39837-28513817.pdf, ComponentLink8Description=https://datasheet.ciiva.com/11808/0900766b80fe20f7-11808029.pdf, ComponentLink8URL=https://datasheet.ciiva.com/11808/0900766b80fe20f7-11808029.pdf, ComponentLink9Description=https://datasheet.ciiva.com/16725/70068849-16725037.pdf, ComponentLink9URL=https://datasheet.ciiva.com/16725/70068849-16725037.pdf, ComponentLink10Description=https://datasheet.ciiva.com/45928/54aoa0000ce26-45928637.pdf, ComponentLink10URL=https://datasheet.ciiva.com/45928/54aoa0000ce26-45928637.pdf, ComponentLink11Description=https://datasheet.ciiva.com/9186/aoa0000ce26-9186735.pdf, ComponentLink11URL=https://datasheet.ciiva.com/9186/aoa0000ce26-9186735.pdf, ComponentLink12Description=https://datasheet.ciiva.com/48425/era-eng-tds-48425407.pdf, ComponentLink12URL=https://datasheet.ciiva.com/48425/era-eng-tds-48425407.pdf, ComponentLink13Description=https://datasheet.ciiva.com/29183/450355-da-01-en-widerstand-0603-era-29183658.pdf, ComponentLink13URL=https://datasheet.ciiva.com/29183/450355-da-01-en-widerstand-0603-era-29183658.pdf, Composition="Metal Film,Thin Film", Contact Plating=Tin, Depth=0.8mm, Height=0.45mm, Length=1.6mm, Manufacturer Part Number=ERA-3AEB101V, Military Standard=Not, Mount="Surface Mount", Number of Pins=2, Number of Terminations=2, Packaging="Tape and Reel", Power Rating=100mW, Pricing 1="1=0.35, 10=0.3, 100=0.1172, 1000=0.0491, 2500=0.045 (USD)", Radiation Hardening=No, REACH SVHC="No SVHC", Stock 1=123480, Supplier 1=Digi-Key, Termination=SMD/SMT, Width=0.8mm
R66 R67 R68 R70 R71 R73 R74 R75: "RES 1.00K OHM 1/10W 1% 0603 SMD", Manufacturer="Panasonic - ECG", Package / Case="0603 (1608 Metric)", Power (Watts)=100mW, Resistance (Ohms)=1K, Supplier Part Number 1=P1.00KHCT-ND, Temperature Coefficient=±100ppm/°C, Tolerance=±1%, Category=Resistors, ComponentLink1Description=http://industrial.panasonic.com/www-cgi/jvcr13pz.cgi?E+PZ+3+AOA0002+ERJ3EKF1001V+7+WW, ComponentLink1URL=http://industrial.panasonic.com/www-cgi/jvcr13pz.cgi?E+PZ+3+AOA0002+ERJ3EKF1001V+7+WW, Composition="Thick Film", Features=-, Height="0.022\" (0.55mm)", Manufacturer Part Number=ERJ-3EKF1001V, Number of Terminations=2, Packaging="Cut Tape (CT)", Pricing 1="1=0.04, 50=0.0138, 100=0.0105, 250=0.0078, 500=0.00576, 1000=0.00384 (USD)", RoHS="RoHS Compliant", Size / Dimension="0.063\" L x 0.031\" W (1.60mm x 0.80mm)", Stock 1=5088743, Supplier 1=Digi-Key
R69 R72: "n RES SMD 39.2 OHM 1% 1/10W 0603", Manufacturer="Panasonic Electronic Components", Operating Temperature="-55°C ~ 155°C", Package / Case="0603 (1608 Metric)", Power (Watts)=100mW, Resistance (Ohms)=39.2, Supplier Device Package=0603, Supplier Part Number 1=P39.2HCT-ND, Temperature Coefficient=±100ppm/°C, Tolerance=±1%, Category=Resistors, ComponentLink1Description=http://industrial.panasonic.com/www-cgi/jvcr13pz.cgi?E+PZ+3+AOA0002+ERJ3EKF39R2V+7+WW, ComponentLink1URL=http://industrial.panasonic.com/www-cgi/jvcr13pz.cgi?E+PZ+3+AOA0002+ERJ3EKF39R2V+7+WW, Composition="Thick Film", Features="Automotive AEC-Q200", Height="0.022\" (0.55mm)", Manufacturer Part Number=ERJ-3EKF39R2V, Number of Terminations=2, Packaging="Cut Tape (CT)", Part Status=Active, Pricing 1="1=0.1, 50=0.0114, 100=0.0084, 250=0.00644, 500=0.00514, 1000=0.00379 (USD)", RoHS="RoHS Compliant", Size / Dimension="0.063\" L x 0.031\" W (1.60mm x 0.80mm)", Stock 1=34148, Supplier 1=Digi-Key
R76 R77 R78 R79: "RES 1M OHM 1% 1/10W 0603", Case/Package=0603, Case Code (Metric)=1608, Manufacturer="Stackpole Electronics", Max Operating Temperature=155°C, Max Power Dissipation=100mW, Min Operating Temperature=-55°C, Package Quantity=1, Resistance=1M, Supplier Part Number 1=RMCF0603FG1M00CT-ND, Temperature Coefficient=100ppm/°C, Tolerance=1%, Case Code (Imperial)=0603, ComponentLink1Description=https://www.seielect.com/Catalog/SEI-RMCF_RMCP.pdf, ComponentLink1URL=https://www.seielect.com/Catalog/SEI-RMCF_RMCP.pdf, ComponentLink2Description=https://www.seielect.com/catalog/SEI-Packaging.pdf, ComponentLink2URL=https://www.seielect.com/catalog/SEI-Packaging.pdf, Composition="Thick Film", Contact Plating=Tin,Matte, Height=0.022inch, Lead Free="Contains Lead", Length=0.061inch, Manufacturer Part Number=RMCF0603FG1M00, Mount="Surface Mount", Number of Terminations=2, Packaging="Tape and Reel", Pricing 1="1=0.1, 10=0.017, 100=0.0069, 1000=0.00309, 2500=0.00268, 5000=0.00222 (USD)", Radiation Hardening=No, Stock 1=129722, Supplier 1=Digi-Key, Width=0.031inch
R80 R81 R82 R83 R84 R85 R86: "RES 10K OHM 1/10W 5% 0402 SMD", Manufacturer="Panasonic - ECG", Package / Case="0402 (1005 Metric)", Power (Watts)=100mW, Resistance (Ohms)=10K, Supplier Part Number 1=P10KJCT-ND, Temperature Coefficient=±200ppm/°C, Tolerance=±5%, Category=Resistors, ComponentLink1Description=http://industrial.panasonic.com/www-cgi/jvcr13pz.cgi?E+PZ+3+AOA0001+ERJ2GEJ103X+7+WW, ComponentLink1URL=http://industrial.panasonic.com/www-cgi/jvcr13pz.cgi?E+PZ+3+AOA0001+ERJ2GEJ103X+7+WW, Composition="Thick Film", Features=-, Height="0.016\" (0.40mm)", Manufacturer Part Number=ERJ-2GEJ103X, Number of Terminations=2, Packaging="Cut Tape (CT)", Pricing 1="1=0.05, 50=0.0172, 100=0.0131, 250=0.00976, 500=0.0072, 1000=0.0048, 5000=0.00338 (USD)", RoHS="RoHS Compliant", Size / Dimension="0.039\" L x 0.020\" W (1.00mm x 0.50mm)", Stock 1=2765902, Supplier 1=Digi-Key